# Altium PCB Hekr V1.1.PcbDoc
Units mil, origin at the board's own origin, x right, y up, seen from the top; angles counter-clockwise.
Board outline 554.15 x 862.21 mil, 4 copper layers (Top Layer, GND, VCC, Bottom Layer); 22 components, 27 nets, 94 pads, 94 vias.
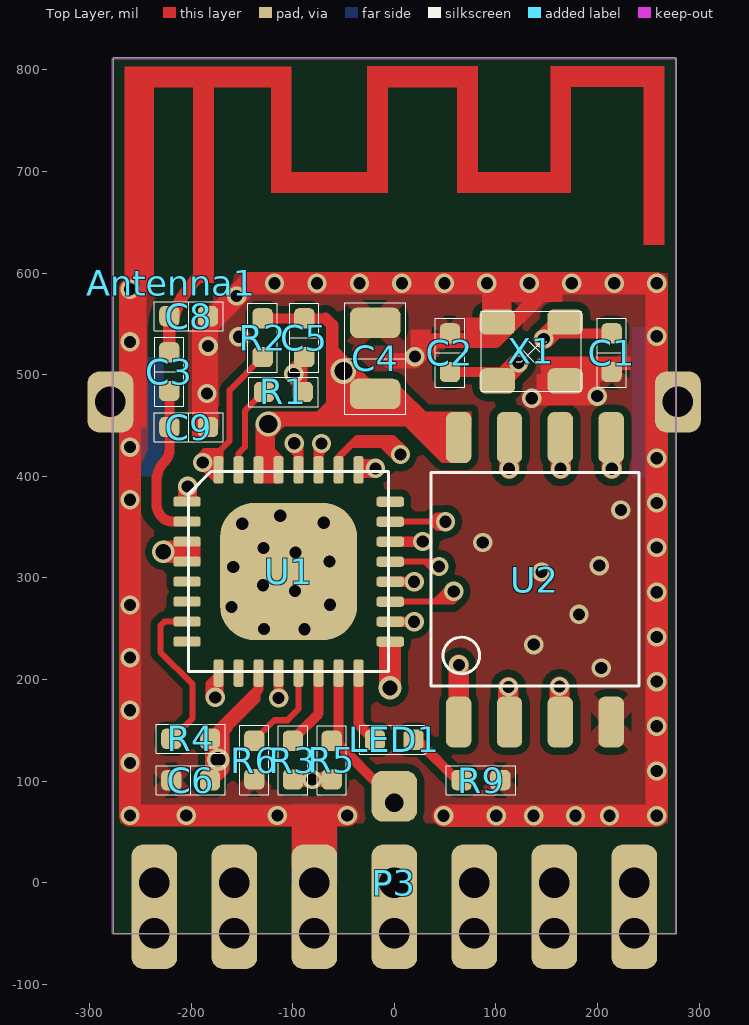
[diagram p0: Top Layer view]
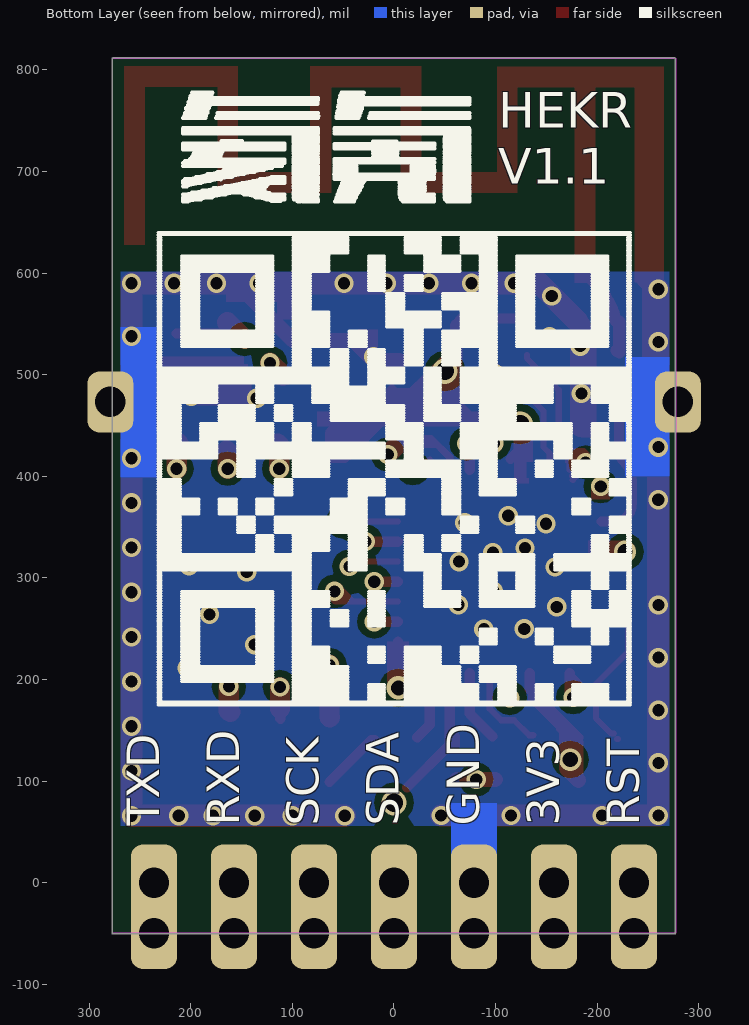
[diagram p1: Bottom Layer view, seen from below]
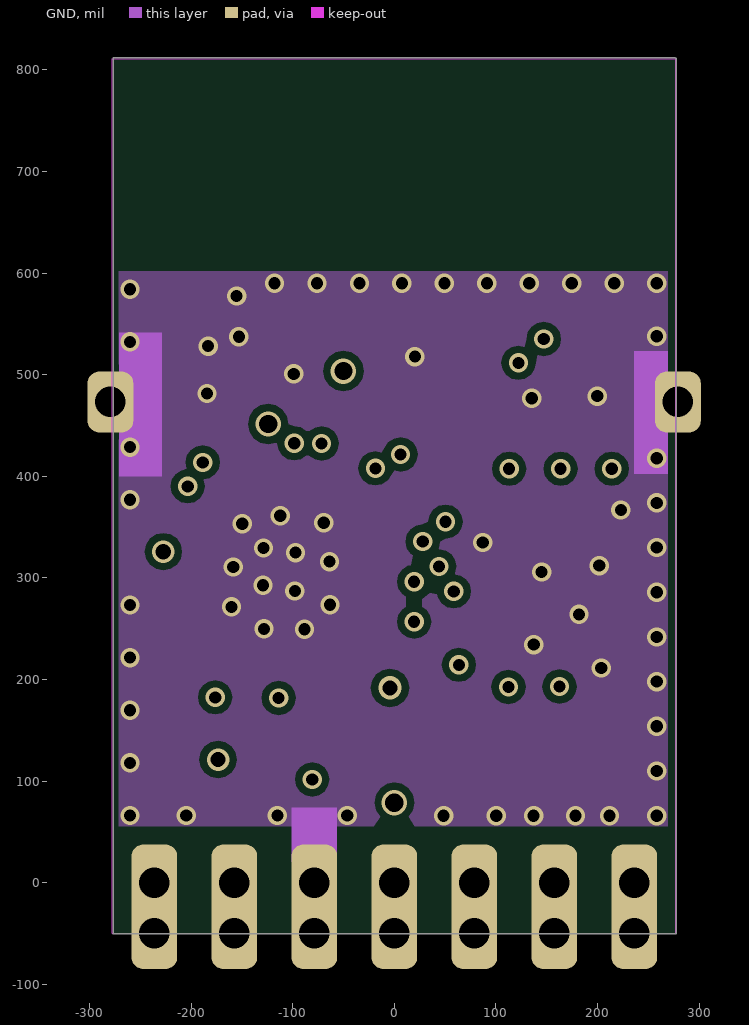
[diagram p2: GND]
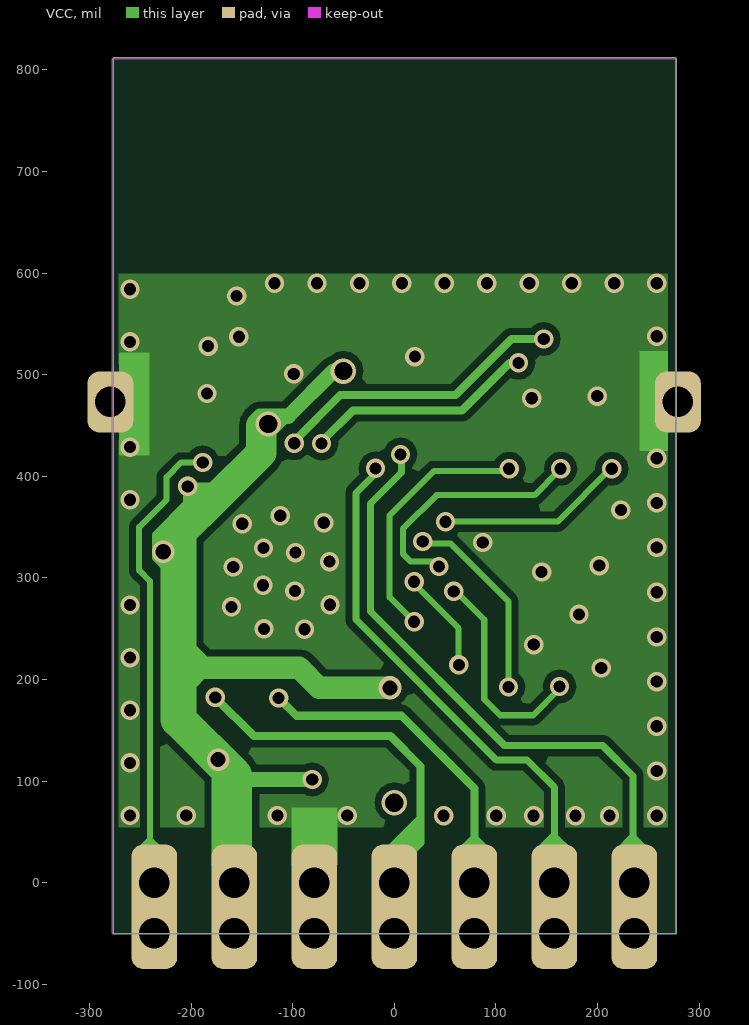
[diagram p3: VCC]

## Layer stack, top to bottom
Top Layer: signal copper 1.4
Dielectric: core 12.6, FR-4, Dk 4.8
GND: signal copper 1.4
Dielectric: prepreg 12.6, FR-4, Dk 4.8
VCC: signal copper 1.4
Dielectric: core 12.6, FR-4, Dk 4.8
Bottom Layer: signal copper 1.4

## Board outline
-276.84,-50 ccw(c-276.33,-50) -276.33,-50.52 276.79,-50.57 ccw(c276.79,-50.05) 277.31,-50.05 277.31,811.07 ccw(c276.79,811.07) 276.79,811.59 276.67,811.59 ccw(c276.44,811.12) 276.44,811.64 -276.33,811.64 ccw(c-276.33,811.12) -276.84,811.12

## Design rules (kind name [scope] priority, off if disabled: settings)
Clearance 10 [All] p1 off: gap=10
Clearance 7 [All] p2: gap=6
ComponentClearance [All] p1: gap=10 collisioncheckmode=3 verticalgap=10
PolygonConnect VID [IsVia] p1: connectstyle=Direct reliefconductorwidth=10 reliefentries=4 polygonreliefangle="90 Angle"
PolygonConnect PolygonConnect_1 [All] p2: connectstyle=Relief reliefconductorwidth=15 reliefentries=4 polygonreliefangle="45 Angle"
RoutingVias [All] p1: holewidth=28 width=50 viastyle="Through Hole" minholewidth=28 minwidth=50 maxholewidth=28 maxwidth=50
SolderMaskExpansion [All] p1: expansion=4
TestPointUsage [All] p1: valid=0 allowmultiple=FALSE
Testpoint [(IsPad And (OnTopLayer Or OnBottomLayer))] p1: side=3 testpointundercomponent=TRUE minsize=40 maxsize=100 preferedsize=60 minholesize=0 maxholesize=40 preferedholesize=32 testpointgrid=1 style=297 order=0123456789
Width [All] p1: maxlimit=100 minlimit=6 preferedwidth=10 toplayer_prefwidth=6 bottomlayer_prefwidth=6 minimp=50.000000 maximp=50.000000 favimp=50.000000
18 further rules are at their usual default settings.

## Components (designator, comment, footprint, x,y, rotation, side; value= is the part's Value field where it differs from the comment)
Antenna1 "F Antenna" 2.4G_ANTENNA_2 -219.57,589.99 r0 top locked
C1 "10pF 10V/0402" C_0402 213.82,521.61 r270 top
C2 "10pF 10V/0402" C_0402 54.71,521.57 r90 top
C3 "0R/0402" C_0402 -221.62,502.93 r270 top
C4 "4.7uF 10V/0603" C_0805 -18.78,515.97 r270 top
C5 "100nF 10V/0402" C_0402 -88.6,536.36 r90 top
C6 "4.7uF 10V/0402" C_0402 -200.53,100.68 r0 top
C8 "NC/0402" C_0402 -202.42,557.48 r180 top
C9 "NC/0402" C_0402 -202.42,448.35 r180 top
LED1 "RED_0402" LED_0402 -0.15,140.52 r0 top
P3 "Header 7" DIP6-2.0 0,14.66 r180 top locked
R1 "12K/0402" R_0402 -109.18,482.89 r0 top
R2 "4.7K/0402" R_0402 -129.66,536.36 r90 top
R3 "4.7K/0402" R_0402 -99.85,120.53 r270 top
R4 "4.7K/0402" R_0402 -200.53,141.48 r0 top
R5 "4.7K/0402" R_0402 -61.7,120.53 r270 top
R6 "4.7K/0402" R_0402 -137.91,120.65 r90 top
R9 "1K/0402" R_0402 85.3,100.86 r180 top
U1 "ESP8266/QFN32" ESP8266 -104.08,306.2 r0 top locked
U2 "GD25Q16CSIG/SOP8" GD25Q16/64 138.33,298.02 r90 top locked
X1 "FA-20H 26M-10ppm/EPSON/2520" XTAL_2520 134.77,522.77 r0 top
? "Comment" hekr二维码 -3.09,401.27 r180 bottom

## Footprints (in the part's own frame and the unit in brackets; to place one, negate y for a bottom-side part, rotate by r counter-clockwise, add the part's x,y. Pads: shape width x height; smd on the part's side, far side on the other; paste and mask are expansions set on the pad)
2.4G_ANTENNA_2 [mil]
  Top Layer region: -46.14,0.44 -17.23,0.44 -17.23,213.39 -46.14,213.39
  Top Layer region: -32.74,192.49 118.2,192.49 118.2,213.29 -32.74,213.29
  Top Layer region: 21.46,0.27 42.15,0.27 42.15,193.81 21.46,193.81
  Top Layer region: 97.97,88.87 118.24,88.87 118.24,213.36 97.97,213.36
  Top Layer region: 97.97,88.87 213.17,88.87 213.17,109.43 97.97,109.43
  Top Layer region: 192.45,88.87 213.17,88.87 213.17,213.53 192.45,213.53
  Top Layer region: 192.45,192.78 302.07,192.78 302.07,213.53 192.45,213.53
  Top Layer region: 281.26,88.87 302.07,88.87 302.07,213.53 281.26,213.53
  Top Layer region: 293.06,88.77 393.27,88.77 393.27,109.52 293.06,109.52
  Top Layer region: 373,88.77 393.27,88.77 393.27,213.62 373,213.62
  Top Layer region: 377.91,192.91 485.26,192.91 485.26,213.73 377.91,213.73
  Top Layer region: 464.75,37.79 485.26,37.79 485.26,213.73 464.75,213.73
C_0402 [mil]
  rrect50% 20x20 smd: 1(-19,0) 2(19,0)
  silkscreen extent -34,-14 34,14
C_0805 [mil]
  rrect50% 30x50 smd: 1(-35,0) 2(35,0)
  silkscreen extent -55,-30 55,30
DIP6-2.0 [mil]
  rrect50% 45x75 hole 30: 1(-236.22,14.66) 2(-157.48,14.66) 3(-78.74,14.66) 4(0,14.66) 5(78.74,14.66) 6(157.48,14.66) 7(236.22,14.66)
ESP8266 [mil]
  rrect50% 27x10 smd: 1(-100,68.9) 2(-100,49.21) 3(-100,29.53) 4(-100,9.84) 5(-100,-9.84) 6(-100,-29.53) 7(-100,-49.21) 8(-100,-68.9) 17(100,-69.06) 18(100,-49.37) 19(100,-29.69) 20(100,-10) 21(100,9.69) 22(100,29.37) 23(100,49.06) 24(100,68.74)
  rrect50% 10x27 smd: 9(-68.9,-100) 10(-49.21,-100) 11(-29.53,-100) 12(-9.84,-100) 13(9.84,-100) 14(29.53,-100) 15(49.21,-100) 16(68.9,-100) 25(68.9,100) 26(49.21,100) 27(29.53,100) 28(9.84,100) 29(-9.84,100) 30(-29.53,100) 31(-49.21,100) 32(-68.9,100)
  rrect50% 135x135 smd: 33(0,0)
  silkscreen extent -98,-98 98,98
GD25Q16/64 [mil]
  rrect50% 50x25 smd: 1(-140,75) 2(-140,25) 3(-140,-25) 4(-140,-75) 5(140,-75) 6(140,-25) 7(140,25) 8(140,75)
  silkscreen extent -104,-102 106,102
hekr二维码 [mil]
  silkscreen extent -235,-227 230,238
LED_0402 [mil]
  rrect50% 20x20 smd: 1(-19,0) 2(19,0)
  silkscreen extent -34,-14 35,14
R_0402 [mil]
  rrect50% 20x20 smd: 1(-19,0) 2(19,0)
  silkscreen extent -34,-14 34,14
XTAL_2520 [mil]
  rrect50% 35x25 smd: 1(-33.46,-29) 2(33.46,29) ""(-33.46,29) ""(33.46,-29)
  silkscreen extent -49,-39 49,39

## Part data
C1 C2 C3 C4 C5 C6 C8 C9: library part C0603, "C0603"
LED1: library part LED2, "Typical RED, GREEN, YELLOW, AMBER GaAs LED"
P3: "Header, 7-Pin"
R1 R2 R3 R4 R5 R6 R9: library part Res2, "Resistor"
U2: library part GD25Q64BSIG
X1: library part XTAL, "Crystal Oscillator"

## Free pads (board coordinates)
  rrect50% 45x50 smd mask+4: 0(0,85)
  rrect50% 45x60 hole 30: 1(-279.43,473.08) 1(279.06,473.08)
  rrect50% 45x70 hole 30: 1(236.22,-50) 2(157.48,-50) 3(78.74,-50) 4(0,-50) 5(-78.74,-50) 6(-157.48,-50) 7(-236.22,-50)

## Via types
v1: diameter 19, hole 12, Top Layer to Bottom Layer, tented both sides, 88 vias
v2: diameter 25, hole 18, Top Layer to Bottom Layer, tented both sides, 3 vias
v3: diameter 22, hole 15, Top Layer to Bottom Layer, tented both sides, 2 vias
v4: diameter 23, hole 15, Top Layer to Bottom Layer, tented both sides, 1 vias

## Nets (pads, with @x,y where several pads share a name; then routed paths per layer and width w, separated by ;. In a path a pad name is that pad's centre, name@x,y a point inside that pad or via, vN(x,y) a via of type N, cw(c..) or ccw(c..) an arc to the next point about the centre after c; other vN are vias at no path point)
3V3: C4.2 C5.2 C6.2 P3.6 pad.6 R2.2 R3.2 R4.2 R5.2 U1.1 U1.3 U1.4 U1.11 U1.17 U1.29 U1.30 U2.8 | length 2176.6
  Top Layer w6: -162.68,152.23 -134.68,180.24 -134.68,198.72 U1.11@-133.61,199.79
  Top Layer w10: R4.2@-181.53,142.51 -133.61,190.43 U1.11 ; -169.11,150.28 -168.78,147.18 ; R2.2 -67.94,555.36 ; -124.17,426.63 U1.29@-114.63,417.08 ; v2@-122.5,441.37 v2@-112.03,451.84 ; -75.09,458.03 -54.57,478.54 ; -58.16,522.73 8.5,456.08 ; v4(-4.33,191.66) -4.08,191.9 U1.17 ; C4.2@-1.02,480.99 22.84,457.13 ; C4.2@1.1,470.36 13.72,457.74 ; C4.2@1.96,485.24 32.21,454.99 ; 8.76,457.74 48.54,417.97 U2.8@66.89,417.97 ; 24.48,455.16 U2.8@57.77,421.87 ; 36.97,454.44 U2.8@56.19,435.21
  Top Layer w12: -124.17,399.07 -124.17,448.24 -117.42,454.99 49.31,454.99 61.9,442.4 U2.8@61.9,421.35 ; -67.94,555.36 -61.2,548.62 -61.2,463.16 -62.03,462.32
  Top Layer w15: C6.2 -169.74,112.46 -169.74,150.25 -166.54,153.45 ; R3.2 R5.2
  VCC w10: -222.18,308.42 -233.71,319.95 -233.71,341.97 -202.81,372.87 v1@-202.81,383.8 ; -199.62,231 -185.44,216.82 ; -199.06,195.31 -189.38,204.99 ; v1@-195.47,388.92 -180.1,388.92 ; v2@-121.33,443.26 -108.53,456.05
  VCC w15: -150.31,101.53 v1(-80.87,101.53) ; -137.14,454.06 -132.17,459.03 -104.44,459.03 -59.97,503.49 v2(-50.13,503.49)
  VCC w19: v1(-203.41,389.99) -192,378.58 cw(c-196.29,374.3) -190.23,374.3
  VCC w22: -203.34,211.55 -93.82,211.55 -73.93,191.66 v4(-4.33,191.66)
  VCC w30: -211.69,338.29 -211.69,342.32 -175.04,378.97 -130.84,423.17 v2@-130.84,449.9 ; P3.6 P3.6
  VCC w35: -212.46,337.52 -212.46,160.55 -157.53,105.62 P3.6
  other v2: -124.17,451.36
  other v3: -173.48,121.08 -227.4,325.75
ADC: U1.6
CH_PD: R4.1 U1.7 | length 157.1
  Top Layer w6: R4.1@-220.66,141.48 R4.1 ; R4.1@-216.34,146.59 -213.97,146.59 -198.64,161.92 -198.64,195.26 -230.27,226.89 -230.27,252.79 -227.47,255.59 -226.07,256.98 U1.7
GND: C1.2 C2.2 C4.1 C5.1 C6.1 C8.1 C9.1 P3.5 pad.1@279.06,473.08 pad.1@-279.43,473.08 pad.5 R1.2 R6.1 R9.1 U1.33 U2.4 X1. | length 2284.6
  Top Layer w10: v1@-101.96,497.27 R1.2@-90.97,486.28 ; v1@-100.98,504.74 -90.44,515.28 -90.44,486.32 R1.2@-88.6,484.47
  Top Layer w15: R1.2 R1.2@-88.6,484.47 ; -4.9,513.72 20.13,513.72 40.05,533.64 99.24,533.64 150.34,584.74
  Top Layer w20: C9.1 C8.1@-183.42,549.2
  Top Layer w22: -248.9,595.29 v1(-260.19,583.99) v1(-260.19,66.08) v1(-46.37,66.08) ; C8.1@-179.75,553.33 -143.17,589.91 v1(258.29,589.91) v1(258.29,65.85) v1(48.49,65.85)
  other v1: 100.22,65.85 137.09,65.85 178.23,65.85 211.83,65.85 -204.82,66.08 -115.13,66.08 258.29,109.83 -260.19,117.87 258.29,153.82 -260.19,169.66 258.29,197.81 203.69,211.14 -260.19,221.45 137.11,234.25 258.29,241.8 -128.26,249.76 -88.47,249.35 181.66,264.01 -160.21,271.4 -260.19,273.24 -63.32,273.47 258.29,285.78 -97.95,287.07 -129.29,292.64 144.95,305.62 -158.56,310.57 201.74,311.99 -63.94,315.93 -97.34,324.8 -128.88,329.33 258.29,329.77 87,334.82 -149.7,353.25 -69.51,354.28 -112.39,361.08 222.95,366.7 258.29,373.76 -260.13,376.83 258.29,417.74 -260.19,428.62 135.17,476.71 199.64,478.83 -184.4,481.39 -99.05,500.75 20.2,517.71 -183.32,528.01 -260.19,532.2 -153.02,537.26 258.29,537.76 -155.23,577.38 -118.04,589.91 -76.23,589.91 -34.41,589.91 7.4,589.91 49.22,589.91 91.03,589.91 132.85,589.91 174.66,589.91 216.48,589.91
GPIO0: pad.0 R5.1 U1.15 | length 140.3
  Top Layer w7: R5.1@-61.46,134.33 R5.1@-61.46,144.58
  Top Layer w10: U1.15 -54.87,135.59 pad.0@-12.84,93.56
  other v2: 0,78.74
GPIO2: R3.1 U1.14 | length 71.8
  Top Layer w6: R3.1@-96.79,143.57 R3.1@-96.79,144.09
  Top Layer w10: R3.1@-96.79,144.09 -74.55,166.33 U1.14
GPIO4: LED1.1 U1.16 | length 68.1
  Top Layer w10: U1.16 -35.18,155.44 LED1.1@-22.88,143.14
GPIO5: U1.24
GPIO12: U1.10
GPIO13: P3.3 pad.3 U1.12 | length 384.8
  Top Layer w10: v1(-113.95,181.73) U1.12
  VCC w8: v1(-113.95,181.73) -96.49,164.27 7.14,164.27 78.74,92.66 P3.3 ; P3.3@65.15,30.34 78.74,43.93 ; 78.38,43.93 P3.3@91.7,30.61
GPIO14: P3.4 pad.4 U1.9 | length 459.5
  Top Layer w10: v1@-180.98,183.76 -180.98,195.33 U1.9@-172.98,203.33 ; v1@-177.33,184.35 -172.98,188.7 U1.9
  VCC w8: v1(-176.38,182.33) -138.21,144.16 -3.79,144.16 25.86,114.5 25.86,39.25 P3.4@13.42,26.8 ; P3.4@-6.73,30.76 25.86,63.35 ; P3.4@1.81,31.58 22.16,51.93 ; P3.4@10.84,32.56 21.4,43.11
GPIO15: R6.2 U1.13 | length 89.2
  Top Layer w6: R6.2@-137.51,145.05 -132.91,145.05 -118.11,159.85 -105.38,159.85 -94.24,170.98 U1.13
NetANTENNA1_1: C3.1 C8.2 | length 86.2
  Top Layer w12: C3.1 C8.2@-221.62,552.11 ; C3.1@-219.39,524.67 ccw(c-217.83,524.67) C3.1@-218.94,523.57 ; C8.2@-218.72,552.23 cw(c-128.51,528.3) -190.38,598.18
NetC1_1: C1.1 U1.28 X1.2 | length 409.5
  Top Layer w6: v1@-101.95,426.92 -96.63,421.6
  Top Layer w10: U1.28 v1@-94.24,429.28 ; v1@-94.21,429.31 v1@-94.21,430.32 ; v1@149.15,540.61 C1.1
  Top Layer w20: v1(147.01,535.01) 147.42,535.01 X1.2@164.04,551.63
  VCC w8: v1(-98.46,432.43) -98.46,434.69 -53.28,479.87 60.26,479.87 115.4,535.01 v1(147.01,535.01)
NetC2_1: C2.1 U1.27 X1.1 | length 337.5
  Top Layer w6: -73.43,421.22 v1@-66.78,427.88 ; v1@-71.65,430.03 v1@-71.65,434.12
  Top Layer w8: X1.1@105.29,502.57 X1.1@109.21,498.65
  Top Layer w10: U1.27 -74.55,427.12 v1@-71.65,430.03 ; C2.1 X1.1@105.29,502.57
  Top Layer w20: X1.1@109.21,498.65 v1(122.1,511.54)
  VCC w6: v1@118.44,511.71 v1@118.64,511.5
  VCC w8: v1@-70.56,435.2 -70.48,435.2 -40.88,464.81 66.56,464.81 113.29,511.54 v1(122.1,511.54)
  other v1: -71.65,432.2
NetC3_2: C3.2 C9.2 U1.2 | length 149.7
  Top Layer w10: C3.2@-221.63,478.68 cw(c-222.14,478.17) -221.42,478.17 -221.42,426.03 cw(c-237.69,426.03) -226.19,414.52 ccw(c-206.93,395.27) -234.16,395.27 -234.16,372.95 ccw(c-215.22,372.95) -228.61,359.56 ccw(c-218.59,369.59) -218.59,355.41 U1.2
NetLED1_2: LED1.2 R9.2 | length 62
  Top Layer w10: LED1.2 22.12,140.52 R9.2@63.62,99.02
NetR1_1: R1.1 U1.31 | length 87.2
  Top Layer w6: U1.31 -153.29,422.51 -147.04,428.77 -147.04,464.28 -128.4,482.91 R1.1@-128.2,482.91
RST: P3.7 pad.7 R2.1 U1.32 | length 665.4
  Top Layer w6: v1@-193.92,417.3 -186.61,424.62 -172.5,424.62 -167,430.12 ; v1@-188.11,408.55 U1.32@-175.98,396.42 ; v1@-182.25,407.02 U1.32@-175.33,400.09 ; U1.32 -172.98,424.14 -162.12,435 -162.12,484.8 -130.82,516.09 R2.1@-130.82,519.03
  VCC w6: P3.7@-252.99,30.01 -240.53,42.48 ; P3.7@-241.77,11.56 -240.53,12.81 -240.53,296.72 -251.29,307.48 -251.29,349.72 -224.21,376.8 -224.21,398.98 -209.6,413.59 v1(-188.6,413.59) ; -240.53,42.38 P3.7@-231.29,33.14
SD_CLK: U1.21 U2.6 | length 319.2
  Top Layer w6: U1.21 v1@41.24,315.88 ; 30.23,315.78 v1@39.24,306.77
  Top Layer w20: v1(163.65,407.31) 163.65,424.27 U2.6@164.61,425.24
  VCC w6: v1@41.24,315.88 40.92,316.2 15.78,316.2 8.37,323.61 8.37,348.34 41.49,381.46 138.12,381.46 161.39,404.72 v1@161.39,410.37
  other v1: 43.91,311.16
SD_CMD: U1.20 U2.1 | length 180
  Top Layer w10: U1.20 v1(19.44,296.2) ; U2.1@63.26,162.77 63.26,158.1 U2.1 ; v1@63.26,214.28 v1@63.26,216.52
  Top Layer w20: U2.1@63.26,162.77 63.5,163.02 v1(63.5,214.28)
  VCC w6: v1(19.44,296.2) 19.44,294.1 63.26,250.28 v1@63.26,216.52
SD_DATA_0: U1.22 U2.2 | length 256.7
  Top Layer w10: U1.22 v1@25.91,335.57 ; U2.2@111.84,161.27 112.24,161.67 U2.2@112.24,171.26
  Top Layer w20: U2.2@112.24,171.26 v1(112.24,192.56)
  VCC w6: v1@25.64,335.7 27.41,333.93 55.11,333.93 112.24,276.8 v1(112.24,192.56)
  other v1: 27.95,335.7
SD_DATA_1: U1.23 U2.5 | length 299.8
  Top Layer w6: U1.23 v1(50.29,355.25) ; v1@49.13,348.96 42.89,348.96 35.96,355.89 41.37,361.3 v1@50.14,361.3
  Top Layer w20: U2.5@212.47,432.72 213.97,431.22 v1(213.97,407.31)
  VCC w6: v1(50.29,355.25) 160.76,355.25 214.12,408.61 v1@214.12,409.62
SD_DATA_2: U1.18 U2.7 | length 305.8
  Top Layer w10: U1.18 v1@21.99,256.83
  Top Layer w20: v1(112.95,407.31) 112.95,430.74 U2.7@114.36,432.16
  VCC w6: v1(19.44,256.83) -4.64,280.9 -4.64,361.52 38.92,405.08 111.62,405.08 111.73,404.97 v1@111.73,410.12
SD_DATA_3: U1.19 U2.3 | length 325.9
  Top Layer w6: U1.19 57.7,276.51 v1@63.49,282.29 ; 40.93,277.52 v1@52.25,288.84 ; 49.48,280.91 v1@51.01,280.91
  Top Layer w20: U2.3@161.32,167.98 162.54,169.2 v1(162.54,192.95)
  VCC w6: v1@59.94,288.07 59.94,287.31 88.46,258.79 88.46,180.49 104.19,164.77 136.48,164.77 162.54,190.82 v1(162.54,192.95)
  other v1: 58.53,286.65
U0_RXD: P3.2 pad.2 U1.25 | length 577.5
  Top Layer w6: U1.25 U1.25@-35.18,416.3
  Top Layer w7: U1.25@-35.18,407.96 -34.93,407.7 v1(-18.63,407.7)
  VCC w7: v1(-18.63,407.7) -18.63,402.57 -37.87,383.32 -37.87,258.92 100.35,120.7 130.65,120.7 157.56,93.8 157.56,0.07 P3.2
  VCC w8: P3.2@143.74,32.79 155.97,45.02 ; 158.28,43.93 P3.2@171.73,30.48
U0_TXD: P3.1 pad.1@236.22,-50 U1.26 | length 830.6
  Top Layer w6: -40.92,430.95 -12.48,430.95 v1@1.44,417.02 ; -11.23,436.49 v1@8.04,417.22 ; -3.84,434.97 v1@6.52,424.61
  Top Layer w7: U1.26 -54.87,418.61 -36.46,437.02 -1.2,437.02 v1@10.32,425.5
  VCC w7: v1@2.34,419.05 6.99,414.41 6.99,403.49 -23.41,373.09 -23.41,266.75 108.57,134.76 205.13,134.76 234.85,105.05 234.85,1.37 P3.1
  VCC w8: P3.1@220.44,30.34 234.85,44.74 ; 234.85,44.06 P3.1@246.4,32.51
  Bottom Layer w6: P3.1@242.32,-11.84 P3.1@253.76,-0.41
  other v1: 6.08,421.44
pads on no net: U1.5 U1.8

## Polygon pours and split planes (outlines as drawn)
GND on Top Layer "Top Layer-No Net 1" (solid, remove dead copper, pour order 1000): -275.39,599.69 278.22,599.69 278.36,599.83 278.36,58.23 -275.1,58.23 -275.39,58.54 -275.39,599.62
GND on GND "Top Layer-No Net 1" (solid, pour order 1001): -277.6,601.72 276.01,601.72 276.15,601.87 276.15,55.45 -277.31,55.45 -277.6,55.76 -277.6,601.65
GND on VCC "Top Layer-No Net 1" (solid, pour order 1002): -275.87,599.28 277.73,599.28 277.88,599.43 277.88,54.47 -275.58,54.47 -275.87,54.78 -275.87,599.21
GND on Bottom Layer "Top Layer-No Net 1" (solid, pour order 1003): -275.85,601.17 277.76,601.17 277.9,601.32 277.9,55.86 -275.56,55.86 -275.85,56.17 -275.85,601.1

## Keep-outs
Keep-Out Layer:
  lines w1: -277.73,-50 276.79,-50.05 276.79,811.07 -277.73,811.12 -277.73,-50

## Other copper
Top Layer:
  rectangle net GND: -101.01,15.88 -56.49,66.08
  rectangle net 3V3: -132.71,392.72 -113.1,398.47
  rectangle net 3V3: -186.45,104.45 -171.2,140.03
  rectangle net 3V3: -14.92,193.07 6.72,237.12
  rectangle net 3V3: -212.8,377.25 -194.12,390.28
  rectangle net RST: -189,404.15 -171.44,423.15
  rectangle net 3V3: -227.77,314.75 -190.95,336.76
  rectangle net 3V3: -61.2,454.99 -35.35,503.65
  rectangle net 3V3: -43.79,452.24 6.32,486.86
  rectangle net 3V3: -125.03,449.17 75.84,463.67
  rectangle net 3V3: -136.6,413.96 -117.42,451.22
  rectangle net U0_RXD: -39.36,398.29 -18.78,417.02
  rectangle net GND: 147.42,504.36 233.05,517.68
  rectangle net GND: -264.19,447.71 -243.96,588.3
  rectangle net GND: -199.14,438.27 -183.58,550.36
  rectangle net RST: -171.95,413.12 -168.08,428.2
  rectangle net GND: 15.91,522.48 35.66,544.41
  rectangle net GND: 70,533.64 90.15,556.3
  rectangle net GND: 101.32,571.68 165.51,587.05
  rectangle net GND: 139.37,469.79 194.54,485.57
  rectangle net GND: 140.11,484.18 202.41,500.78
  rectangle net GND: 86.24,554.22 115.32,580.87
  rectangle net GND: 143.84,493.39 210,510.51
GND:
  rectangle net GND: -101.42,20.33 -56.43,74.04
  rectangle net GND: 236.03,402.17 269.15,523.12
  rectangle net GND: -271.07,399.62 -228.63,541.45
VCC:
  rectangle net GND: -101.28,17.45 -56.18,73.97
  rectangle net GND: 241.51,424.79 269.15,523.12
  rectangle net GND: -271.07,420.42 -241.17,521.86
  rectangle net 3V3: -179.83,16.62 -168.84,115.89
Bottom Layer:
  rectangle net GND: 233.93,398.74 269.15,546.91
  rectangle net GND: -271.07,399.6 -227.26,517.55
  rectangle net GND: -101.27,-1.87 -56.12,78.6

## Silkscreen, mask and mechanical layers (free items; w line width, h text height)
Bottom Overlay:
  drawing of 403 lines, arcs and shapes, not listed
  text "HEKR" at -102.59,731.14 h60
  text "V1.1" at -102.59,676.15 h60
  text "RST" at -252.33,55.88 h55 r270
  text "3V3" at -173.44,55.88 h55 r270
  text "GND" at -94.56,55.93 h55 r270
  text "SDA" at -15.68,55.93 h55 r270
  text "SCK" at 63.2,55.93 h55 r270
  text "RXD" at 141.58,55.88 h55 r270
  text "TXD" at 220.46,55.93 h55 r270
Top Paste:
  lines w22: -260.19,66.08 -260.19,154.68 ; -260.19,285.78 -260.19,374.38 ; -260.19,532.2 -260.19,583.99 ; -134.97,66.08 -46.37,66.08 ; -134.97,589.91 -46.37,589.91 ; 48.49,65.85 137.09,65.85 ; 48.49,589.91 137.09,589.91 ; 258.29,65.85 258.29,154.45 ; 258.29,285.78 258.29,374.38 ; 258.29,532.2 258.29,583.99
Top Solder:
  lines w22: -260.37,66.23 -45.39,66.23 ; 48.49,65.88 258.03,65.88
  lines w23: -142.82,589.92 258.03,589.92
  lines w25: -260.37,66.23 -260.37,583.99 ; 258.03,65.88 258.03,589.92
  text "HEKR" at 135.12,87.84 h46